# Altium PCB MainBoard_Layout_V2.PcbDoc (part 3 of 3) (continued)
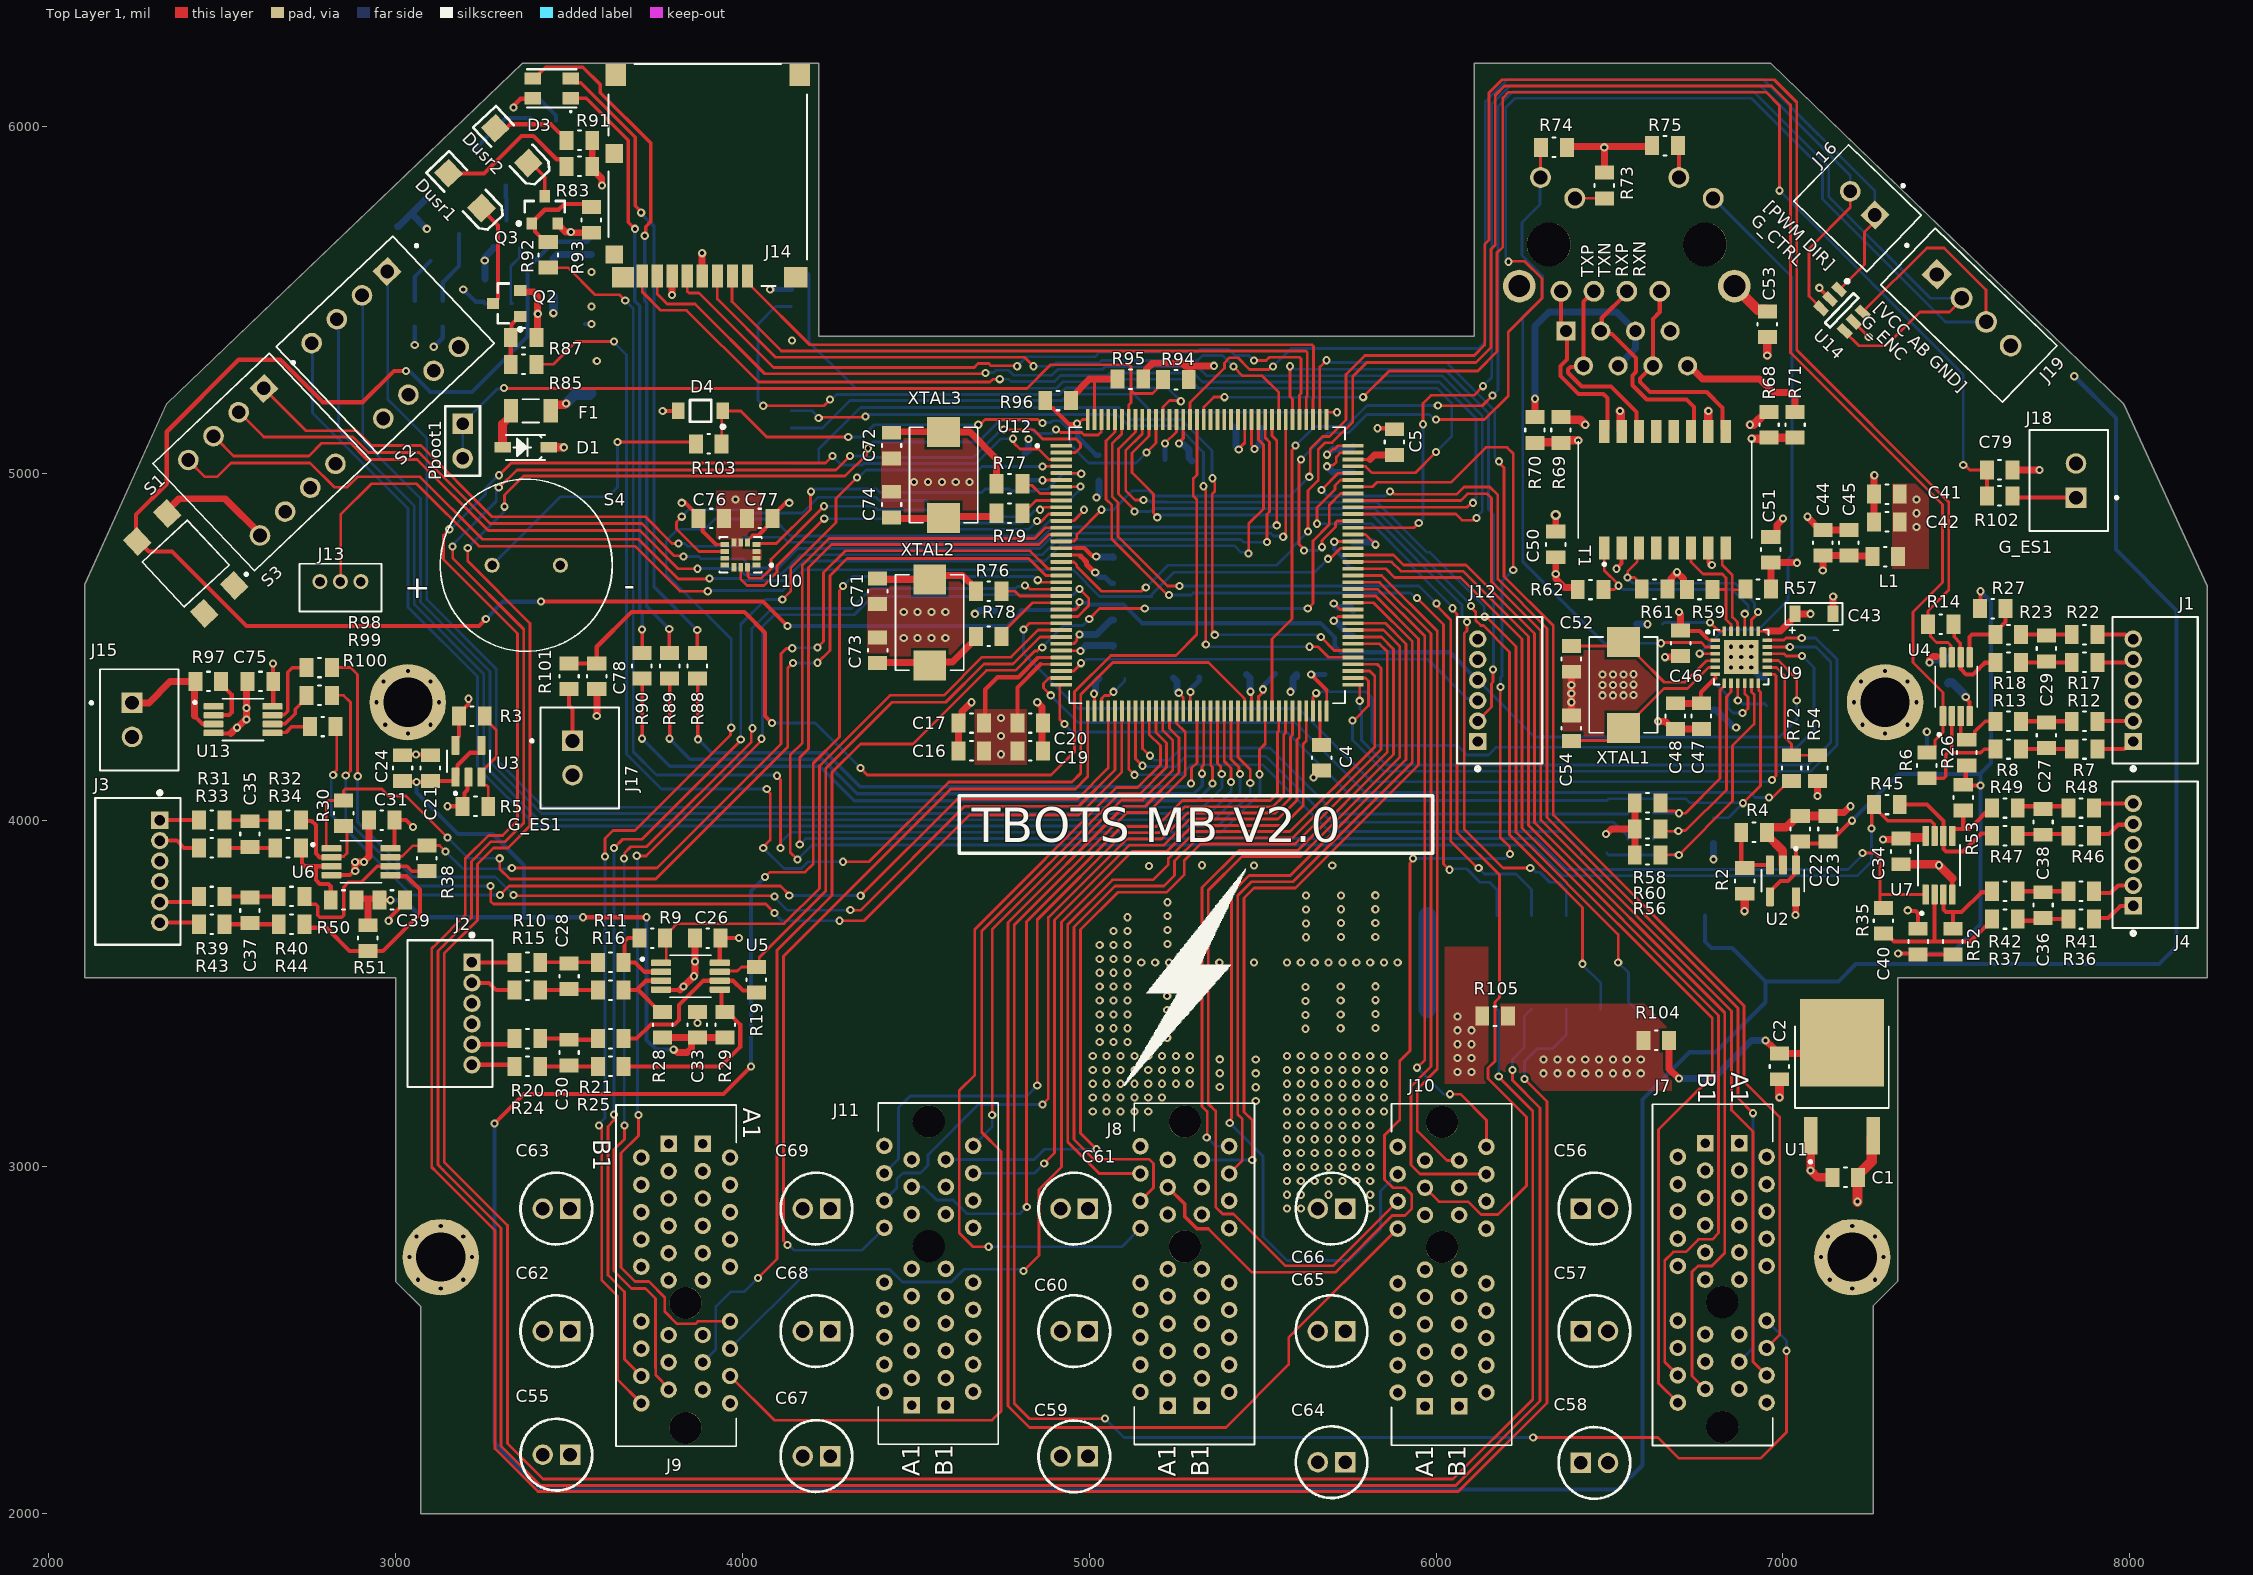
[diagram p0: Top Layer 1 view]
## Nets (pads, with @x,y where several pads share a name; then routed paths per layer and width w, separated by ;. In a path a pad name is that pad's centre, name@x,y a point inside that pad or via, vN(x,y) a via of type N, cw(c..) or ccw(c..) an arc to the next point about the centre after c; other vN are vias at no path point) (continued)
NetR98_2: R98.2 U13.7 | length 211
  Top Layer 1 w10: U13.7@2654.65,4302.8 2655.79,4303.94 2678.41,4303.94 2688.58,4314.11 2688.58,4426.53 2702.05,4440 R98.2@2743,4440
NetR99_1: R99.1 U12.42 | length 3142.8
  Top Layer 1 w8: R99.1@2817,4360 2850,4360 2870,4340 2870,4142.23 v2(2856.12,4128.35) ; v2(3273.96,3810) 3273.96,3766.04 3282,3758 4067.21,3758 v3(4092.81,3732.39) ; v3(4280,3710) 4350,3710 4655,4015 4970.05,4015 5093.94,4138.89 U12.42@5093.94,4314.53
  Bottom Layer 1 w8: v2(2856.12,4128.35) 2856.12,4003.88 3050,3810 v2(3273.96,3810) ; v3(4092.81,3732.39) 4092.81,3730.52 4113.33,3710 v3(4280,3710)
NetR99_2: R99.2 U13.6 | length 144.2
  Top Layer 1 w10: U13.6@2644.65,4277.2 2645.79,4278.35 2681.11,4278.35 2710,4307.24 2710,4319.5 2743,4352.5 R99.2@2743,4360
NetR100_1: R100.1 U12.40 | length 2948.4
  Top Layer 1 w8: v2(2820,4130) 2820,4134.33 2830,4144.33 2830,4277 R100.1@2827,4280 ; v2(3300.62,3784) 3326.62,3810 4110,3810 4135.04,3784.96 v3(4135.04,3782.94) ; v3(4340.94,3782.16) 4618.78,4060 4964.13,4060 5054.57,4150.43 U12.40@5054.57,4314.53
  Bottom Layer 1 w8: v2(2820,4130) 2820,4125.67 2814.29,4119.96 2814.29,4015.71 3046,3784 v2(3300.62,3784) ; v3(4135.04,3782.94) 4312.73,3782.94 4312.94,3782.73 4340.37,3782.73 v3(4340.94,3782.16)
NetR100_2: R100.2 U13.5 | length 116
  Top Layer 1 w10: U13.5@2644.65,4251.61 2645.79,4252.76 2683.8,4252.76 2701.04,4270 R100.2@2753,4270
NetR103_1: R103.1 S4.P | length 820.5
  Top Layer 1 w8: v1(3640,5090) R103.1@3861,5090
  Top Layer 1 w12: R103.1@3861,5080 R103.1@3866,5085 R103.1@3866,5086 ; R103.1@3861,5090 R103.1@3865.5,5085.5
  Bottom Layer 1 w8: S4.P@3278.15,4735 3475.65,4932.5 3612.5,4932.5 3640,4960 v1(3640,5090)
NetS2_1A: S2.1A U12.56 | length 3937.2
  Top Layer 1 w8: U12.56@5369.53,4314.53 5369.7,4314.35 5369.7,4163.93 5379.01,4154.62 5379.01,4136.18 v1(5382,4133.19)
  Bottom Layer 1 w8: S2.1A@2977.4,5582 2977.4,5212.6 3006.28,5183.72 3090,5100 3090,4636.37 3290,4436.37 3290,4174.64 3427.72,4036.92 5326.92,4036.92 5383,4093 5383,4132.19 v1(5382,4133.19)
NetS2_2A: S2.2A U12.57 | length 3965
  Top Layer 1 w8: U12.57@5389.21,4314.53 5389.21,4169.88 5409,4150.09 v1(5409,4110)
  Bottom Layer 1 w8: S2.2A@2904.27,5513.8 2905,5513.07 2905,5095 3072,4928 3072,4628.91 3272,4428.91 3272,4167.18 3420.26,4018.92 5346.46,4018.92 5409.54,4082 5409.54,4109.46 v1(5409,4110)
NetS2_3A: S2.3A U12.58 | length 3987.8
  Top Layer 1 w8: U12.58@5408.9,4314.53 5408.9,4175.65 5432.01,4152.53 5432.01,4136.18 v1(5435,4133.19)
  Bottom Layer 1 w8: S2.3A@2831.13,5445.6 2835,5441.74 2835,5125 3054,4906 3054,4621.46 3254,4421.46 3254,4159.73 3412.81,4000.92 5359.19,4000.92 5435,4076.73 v1(5435,4133.19)
NetS2_4A: S2.4A U12.59 | length 4013.8
  Top Layer 1 w8: U12.59@5428.58,4314.53 5428.58,4181.42 5464.17,4145.83 v1(5464.17,4107.34)
  Bottom Layer 1 w8: S2.4A@2758,5377.4 2760,5375.4 2760,5174.54 3036,4898.54 3036,4614 3236,4414 3236,4152.27 3405.35,3982.92 5371.92,3982.92 5464.17,4075.17 v1(5464.17,4107.34)
NetS3_1A: S3.1A U12.117 | length 3459.5
  Top Layer 1 w8: S3.1A@2618.14,5246.86 2742.06,5122.94 2887.06,5122.94 2930,5080 3073.1,5080 3278.1,4875 3720,4875 3797.31,4797.69 v3(3815.81,4797.69) ; U12.117@5527.01,5155.47 5527.01,5108.45 5540.57,5094.89 5540.57,4852.46 v1(5540.57,4850.19)
  Bottom Layer 1 w8: v3(3815.81,4797.69) 3815.89,4797.61 3833.41,4797.61 3841.01,4790 3980,4790 4006,4816 4116.77,4816 4131.21,4801.57 4850.52,4801.57 4894.45,4845.5 5529.38,4845.5 5534.06,4850.19 v1(5540.57,4850.19)
NetS3_2A: S3.2A U12.115 | length 3589.1
  Top Layer 1 w8: S3.2A@2545,5180 2620.06,5104.94 2877.26,5104.94 2922.2,5060 3067.64,5060 3272.64,4855 3710,4855 3802.67,4762.33 3827.67,4762.33 v3(3830,4760) ; v1(5559.12,4817.22) 5559.12,4821.45 5566.38,4828.7 U12.115@5566.38,5155.47
  Bottom Layer 1 w8: v3(3830,4760) 3874.09,4760 3880.09,4754 3999.82,4754 4027.09,4726.73 4103.5,4726.73 4160.34,4783.57 4857.97,4783.57 4901.9,4827.5 5522.94,4827.5 5531.31,4819.12 5557.22,4819.12 v1(5559.12,4817.22)
NetS3_3A: S3.3A U12.118 | length 3634.5
  Top Layer 1 w8: S3.3A@2479.83,5103.17 2533,5050 2749.98,5050 2786.92,5086.94 2869.8,5086.94 2916.74,5040 3062.18,5040 3267.18,4835 3704.54,4835 3814.54,4725 v3(3870,4725) ; U12.118@5507.32,5155.47 5507.5,5155.3 5507.5,5102.5 5520,5090 5520,4889.54 5512.28,4881.82 v1(5512.28,4801.65)
  Bottom Layer 1 w8: v3(3870,4725) 3871,4726 3989.42,4726 4006.69,4708.73 4111.42,4708.73 4168.25,4765.57 4865.43,4765.57 4909.36,4809.5 5436.65,4809.5 5444.5,4801.65 v1(5512.28,4801.65)
NetS3_4A: S3.4A U12.119 | length 3721.3
  Top Layer 1 w8: S3.4A@2402.21,5037.79 2450,4990 2485,4990 2525,5030 2753.21,5030 2823.21,4960 2860,4960 2890,4990 3070,4990 3250,4810 3700,4810 3815,4695 3903,4695 v3(3905,4697) ; v1(5459.25,4769.25) 5460,4770 5460,4855 5502,4897 5502,5082.54 5487.81,5096.73 5487.81,5155.3 U12.119@5487.64,5155.47
  Bottom Layer 1 w8: v3(3905,4697) 3992.97,4697 3999.24,4690.73 4120.27,4690.73 4176.69,4747.15 4872.47,4747.15 4916.82,4791.5 5418.49,4791.5 5437.75,4772.24 5456.26,4772.24 v1(5459.25,4769.25)
NetU9_13: U9.13 U12.27 | length 2833.1
  Top Layer 1 w8: v1(4810,4550) 4827.68,4567.68 U12.27@4919.53,4567.68 ; U9.13@6954.8,4420.79 6975.31,4420.79 6980,4416.1 6980,4127.98 6968.94,4116.92 v2(6968.94,4115.48)
  Bottom Layer 1 w8: v1(4810,4550) 4810,4480 4967.94,4322.06 5602.87,4322.06 5814.26,4110.67 6956.45,4110.67 6958.26,4112.49 6965.95,4112.49 v2(6968.94,4115.48)
NetU10_4: U10.4 U12.5 | length 1121.3
  Top Layer 1 w8: U10.4@4040.67,4794.53 4045.79,4794.53 4048.68,4797.42 4097.42,4797.42 4196.16,4896.16 4196.16,4945.54 v3(4197.81,4947.19) ; U12.5@4919.53,5000.75 4946.06,5000.75 4946.24,5000.57 4975.17,5000.57 v1(4976.9,4998.85)
  Bottom Layer 1 w8: v3(4197.81,4947.19) 4202.04,4947.19 4209.85,4955 4387,4955 4397,4945 4690,4945 4700,4955 4770,4955 4776,4949 4836.46,4949 4836.56,4948.89 4843.19,4948.89 4848.27,4953.98 4878.98,4953.98 4922.2,4997.2 4975.25,4997.2 v1(4976.9,4998.85)
NetU10_9: U10.9 U12.7 | length 1506.6
  Top Layer 1 w8: v3(3825,4875) 3810,4860 3810,4840 3875.16,4774.84 U10.9@3949.33,4774.84 ; U12.7@4919.53,4961.38 4974.64,4961.38 v1(4974.96,4961.7)
  Bottom Layer 1 w8: v3(3825,4875) 3845,4895 4009.31,4895 4018.31,4886 4173.39,4886 4218.2,4930.81 4385.73,4930.81 4394.54,4922 4529.72,4922 4576.72,4875 4799.5,4875 4834.51,4910.01 4834.57,4910.01 4846.57,4922.01 4942.01,4922.01 4969.5,4949.5 4969.5,4952.01 4974.96,4957.47 v1(4974.96,4961.7)
NetU10_13: U10.13 U12.11 | length 1089.1
  Top Layer 1 w8: U10.13@3995,4729.17 3995,4695.28 3994.92,4695.2 4013.12,4677 4062,4677 4100,4715 4100,4733.5 v3(4235.75,4869.25) ; v1(4849,4862.28) 4851.28,4860 4860,4860 4882.46,4882.46 4919.35,4882.46 U12.11@4919.53,4882.64
  Bottom Layer 1 w8: v3(4235.75,4869.25) 4531.56,4869.25 4561.81,4839 4825.72,4839 v1(4849,4862.28)
NetU10_14: U10.14 U12.10 | length 1066.4
  Top Layer 1 w8: U10.14@4015.89,4722.85 4015.89,4702.48 4020.58,4697.79 4054.93,4697.79 4082,4724.86 4082,4752.04 v3(4235,4905) ; v1(4858.23,4895) 4862.56,4895 4869.88,4902.32 U12.10@4919.53,4902.32
  Bottom Layer 1 w8: v3(4235,4905) 4379.09,4905 4389.09,4895 4531.27,4895 4569.27,4857 4806.96,4857 4841.97,4892.01 4855.24,4892.01 v1(4858.23,4895)
NetU11_4: U11.4 U12.105 | length 2629.7
  Top Layer 1 w8: U12.105@5760.47,5020.43 5760.65,5020.26 5796.17,5020.26 5815.03,5001.41 5939.9,5001.41 v2(6000,5061.5)
  Bottom Layer 1 w8: U11.4@4140.72,5580.72 4142.55,5578.9 4187.44,5578.9 4192.12,5574.22 4192.12,5377.88 4255,5315 4256.88,5315 4326.2,5245.68 4906.31,5245.68 4924.63,5264 5059.46,5264 5066.95,5271.49 5288.51,5271.49 5314.35,5245.65 6002.52,5245.65 6045,5203.18 6045,5106.5 v2(6000,5061.5)
NetU11_6: U11.6 U12.133 | length 1694.9
  Top Layer 1 w8: v1(4060,5195) 4234.76,5195 v4(4252.33,5212.57) ; U12.133@5212.05,5155.47 5212.22,5155.65 5212.22,5191.17 5231.05,5210 5261.95,5210 v1(5263.97,5207.99)
  Bottom Layer 1 w8: v1(4060,5195) 4045,5210 4045,5430 4095.72,5480.72 U11.6@4140.72,5480.72 ; v4(4252.33,5212.57) 4255.79,5212.57 4270.9,5227.68 4913.76,5227.68 4932.09,5246 5225.95,5246 v1(5263.97,5207.99)
NetU11_12: U11.12 U12.77 | length 2244.6
  Top Layer 1 w8: v2(4219.87,5159.32) 4222.57,5162.02 4352.6,5162.02 v2(4354.77,5164.19) ; v1(5329.41,4962.69) 5329.41,4958.46 5335.69,4952.19 5335.69,4507.06 v1(5336,4506.74) ; v1(5635,4500) 5660,4500 5690.57,4469.43 5760.3,4469.43 U12.77@5760.47,4469.25
  Bottom Layer 1 w8: U11.12@4140.72,5180.72 4199.71,5180.72 4219.87,5160.57 v2(4219.87,5159.32) ; v2(4354.77,5164.19) 4355.3,5164.72 4358.99,5164.72 4364.27,5170 5079.89,5170 5112.42,5137.47 5252.53,5137.47 5329.41,5060.59 v1(5329.41,4962.69) ; v1(5336,4506.74) 5340.33,4506.74 5347.08,4500 v1(5635,4500)
NetU11_13: U11.13 U12.109 | length 1684.4
  Top Layer 1 w8: U12.109@5684.49,5155.47 5686,5156.98 5686,5176.28 v1(5714,5176.28)
  Bottom Layer 1 w8: U11.13@4140.72,5130.72 4230.68,5130.72 4309.63,5209.68 4921.22,5209.68 4939.54,5228 5129.4,5228 5181.12,5176.28 v1(5714,5176.28)
NetU11_15: U11.15 U12.78 | length 2312.3
  Top Layer 1 w8: v1(5355.22,4985.75) 5355.22,4980.47 5362.12,4973.58 5362.12,4948.3 5354.33,4940.51 5354.33,4546.05 5361.69,4538.69 v1(5361.69,4534.36) ; v1(5667.7,4527.7) 5706.29,4489.11 5760.3,4489.11 U12.78@5760.47,4488.94
  Bottom Layer 1 w8: U11.15@4140.72,5030.72 4142.54,5028.91 4215.31,5028.91 4220,5033.59 4220,5070 4340,5190 5085.35,5190 5119.88,5155.47 5264.53,5155.47 5354.17,5065.83 5354.17,4986.8 v1(5355.22,4985.75) ; v1(5361.69,4534.36) 5656.71,4534.36 5663.37,4527.7 v1(5667.7,4527.7)
OSC32_IN: C72.1 R77.1 XTAL3.2 | length 401.1
  Top Layer 1 w20: C72.1@4440,5117 4443,5120 XTAL3.2@4582.95,5120 ; XTAL3.2@4580,5119.02 4655.98,5119.02 4733,5042 R77.1@4733,4970
OSC32_OUT: C74.1 R79.1 XTAL3.1 | length 305.1
  Top Layer 1 w20: C74.1@4430,4870 4579.02,4870 XTAL3.1@4580,4870.98 4584.02,4875 R79.1@4733,4875
OSC_IN: C71.1 R76.1 XTAL2.2 | length 310.7
  Top Layer 1 w20: C71.1@4392,4700 C71.1@4397.5,4694.5 ; C71.1@4402.5,4694.5 4539.52,4694.5 XTAL2.2@4540,4694.02 ; XTAL2.2@4536.99,4720 4551.2,4705.78 4634.72,4705.78 4673,4667.5 R76.1@4673,4660
OSC_OUT: C73.1 R78.1 XTAL2.1 | length 326.8
  Top Layer 1 w20: C73.1@4390,4453 4392,4455 4530.98,4455 XTAL2.1@4540,4445.98 4549.54,4455.53 4605.53,4455.53 4662.5,4512.5 4663,4512.5 4673,4522.5 R78.1@4673,4530
PC14-OSC32_IN: R77.2 U12.8 | length 124.3
  Top Layer 1 w8: R77.2@4807,4970 4811.31,4965.69 4834.31,4965.69 4858.13,4941.87 4919.35,4941.87 U12.8@4919.53,4941.69
PC15-OSC32_OUT: R79.2 U12.9 | length 136.4
  Top Layer 1 w8: R79.2@4807,4875 4807,4882.5 4846.51,4922.01 U12.9@4919.53,4922.01
PH0-OSC_IN: R76.2 U12.23 | length 178.2
  Top Layer 1 w8: R76.2@4747,4660 4786.12,4660 4799.53,4646.59 4919.35,4646.59 U12.23@4919.53,4646.42
PH1-OSC_OUT: R78.2 U12.24 | length 217
  Top Layer 1 w8: R78.2@4747,4530 4747,4537.5 4836.23,4626.73 U12.24@4919.53,4626.73
RA: J5.12 U9.3 | length 1621.1
  Top Layer 1 w8: v2(6760,4480) 6760.08,4479.92 6805.12,4479.92 U9.3@6805.2,4479.84
  Bottom Layer 1 w8: v2(6760,4480) 6794.03,4514.03 6830,4550 6930,4550 7014.53,4634.53 7014.53,4752.78 7026,4764.25 7026,5566.09 J5.12@6799.02,5793.07
RC: J5.11 R75.1 | length 87.8
  Top Layer 1 w12: R75.1@6698.16,5940 6700,5938.16 J5.11@6700,5852.91
RD_N: R57.2 T1.8 U9.22 | length 308.2
  Top Layer 1 w8: T1.8@6835,4785 6825,4775 6825,4735.46 6854.21,4706.24 6854.21,4664.67 ; U9.22@6869.79,4537.62 6869.79,4564.58 6868.84,4565.52 6868.84,4571.29 6854.21,4585.92 6854.21,4664.67 ; R57.2@6891.69,4666.18 6890.18,4664.67 6854.21,4664.67
RD_P: R59.2 T1.6 U9.23 | length 383
  Top Layer 1 w8: T1.6@6735.19,4801.9 6735.19,4744.81 6770,4710 6825,4710 6836.21,4698.79 6836.21,4665.21 ; R59.2@6797,4665 6797.21,4665.21 6836.21,4665.21 ; U9.23@6850.84,4538.36 6850.84,4563.84 6836.21,4578.47 6836.21,4665.21
RMII_MDIO: R55.1 U9.12 U12.36 | length 2649.5
  Top Layer 1 w8: U12.36@4919.53,4390.51 4918.02,4389 4915,4389 4915,4290.58 v1(4928.32,4277.26) ; v2(6885,4049) 6935.12,4099.12 6935.12,4369.58 6930.53,4374.17 6930.53,4393.88 U9.12@6929.21,4395.2
  Bottom Layer 1 w8: v1(4928.32,4277.26) 4928.32,4276.68 4950.78,4254.22 5570.33,4254.22 5767.54,4057 6492.46,4057 6496.96,4061.5 6720.91,4061.5 6732.41,4050 6884,4050 v2(6885,4049) 6843,4007 R55.1@6800,4007
RMII_REF_CLK: R72.2 U12.35 | length 2379.1
  Top Layer 1 w8: v1(4889,4360) 4868.06,4380.94 4868.06,4394.26 4883.83,4410.02 4919.35,4410.02 U12.35@4919.53,4410.2 ; v2(6960,4065) 6969.5,4065 7017.5,4113 R72.2@7025,4113
  Bottom Layer 1 w8: v1(4889,4360) 4967.47,4281.53 5593.52,4281.53 5795.05,4080 6905,4080 6920,4065 v2(6960,4065)
RMII_TX_EN: U9.16 U12.70 | length 2004.3
  Top Layer 1 w8: U12.70@5645.12,4314.53 5645.12,4354.59 5654.32,4363.8 v1(5654.32,4366.16) ; U9.16@6954.8,4479.84 7002.92,4479.84 7009.23,4473.53 v2(7055,4473.53)
  Bottom Layer 1 w8: v1(5654.32,4366.16) 5657.31,4369.15 5666,4369.15 5666.85,4370 5798.28,4370 5815,4353.28 5815,4225.91 5825.91,4215 6062.09,4215 6089.2,4187.89 6150.8,4187.89 6172.91,4210 7040,4210 7090,4260 7090,4440 7056.47,4473.53 v2(7055,4473.53)
RMII_TXD0: U9.17 U12.73 | length 2023.7
  Top Layer 1 w8: U12.73@5760.47,4390.51 5778.15,4390.51 5779.66,4389 v1(5779.66,4344.15) ; U9.17@6954.8,4499.53 v2(7020,4499.53)
  Bottom Layer 1 w8: v1(5779.66,4344.15) 5781,4342.81 5781,4320.34 5785,4316.34 5785,4230.46 5856.17,4159.29 7073.83,4159.29 7138,4223.46 7138,4456.54 7095.02,4499.53 v2(7020,4499.53)
RMII_TXD1: U9.18 U12.74 | length 2182.7
  Top Layer 1 w8: v1(5759,4287.77) 5763.08,4287.77 5805.47,4330.16 5805.47,4400.72 5796.17,4410.02 5760.65,4410.02 U12.74@5760.47,4410.2 ; U9.18@6954.8,4519.21 7002.92,4519.21 7009.23,4525.53 v2(7054.47,4525.53)
  Bottom Layer 1 w8: v1(5759,4287.77) 5759,4231 5848.71,4141.29 7081.29,4141.29 7156,4216 7156,4464 7094.47,4525.53 v2(7054.47,4525.53)
RX_N: J5.6 pad.2@6645,5525 T1.9 | length 626
  Top Layer 1 w12: pad.2@6645,5525 6645,5465 6625,5445 J5.6@6625,5310 6588.08,5273.08 6588.08,5263.14 6616.64,5234.57 6780.43,5234.57 6826.04,5188.96 6826.04,5129.79 T1.9@6835,5120.83
RX_P: J5.3 pad.2@6550,5525 T1.11 | length 640.6
  Top Layer 1 w12: pad.2@6550,5525 6550,5520 6477.69,5447.69 6477.69,5412.69 J5.3@6475,5410 6483.2,5401.8 6507.18,5401.8 6576.76,5332.23 6576.76,5292.87 6566.08,5282.19 6566.08,5254.02 6607.53,5212.57 6722.43,5212.57 6743.96,5191.04 6743.96,5129.79 T1.11@6735,5120.83
SHGND: C53.1 J5.S1 J5.S2 | length 125.2
  Top Layer 1 w30: J5.S1@6860.04,5539.92 6927.96,5472 6950,5472 C53.1@6955,5467
SIN_A: R19.1 U5.7 U12.29 | length 1607.2
  Top Layer 1 w8: U5.7@3934.65,3562.8 3936.79,3564.94 3984.94,3564.94 3997,3577 4047.5,3577 4048.49,3577.99 4048.49,3604.31 4240.06,3795.89 4240.06,4149.15 4430.91,4340 4586.34,4340 4696.34,4450 4780,4450 4858.13,4528.13 4919.35,4528.13 U12.29@4919.53,4528.31
SIN_B: R45.1 U7.7 U12.13 | length 5234.4
  Top Layer 1 w8: v3(4158.84,3886.3) 4137.62,3907.52 4137.62,4187.62 4172.67,4222.67 4172.67,4735.65 4249.55,4812.53 4842.83,4812.53 4873.39,4843.09 4919.35,4843.09 U12.13@4919.53,4843.27
  Top Layer 1 w10: v2(7255.75,3975.75) 7255.75,4037.75 R45.1@7263,4045 7263,4037.5 7301.92,3998.58 7425.89,3998.58 7436.06,3988.41 7436.06,3955.79 U7.7@7437.2,3954.65
  Bottom Layer 1 w8: v3(4158.84,3886.3) 4201.01,3928.47 6276.53,3928.47 6365,3840 7215,3840 7255.75,3880.75 v2(7255.75,3975.75)
SIN_C: R14.1 U4.7 U12.15 | length 5117.9
  Top Layer 1 w8: U12.15@4919.53,4803.9 4919.7,4804.07 4955.23,4804.07 4964.24,4813.08 4964.24,4824.24 v1(5035,4895) ; v1(5634.19,4990) 5636.93,4992.75 5636.93,5070.45 5672.91,5106.43 5692.96,5106.43 5740,5153.47 5740,5285.46 5794.54,5340 6110,5340 6140,5370 6140,5660 6152.5,5672.5 6152.5,6097.5 6190,6135 6975,6135 7040,6070 7040,5355.46 7478,4917.46 7478,4663 7418,4603 R14.1@7418,4565 ; R14.1@7408,4565.04 7425.31,4547.73 7425.31,4530.19 7442.92,4512.58 7475.48,4512.58 7485.06,4503 7485.06,4471.79 U4.7@7487.2,4469.65
  Bottom Layer 1 w8: v1(5035,4895) 5070,4895 5125,4950 5170,4950 5185,4935 5579,4935 5634,4990 v1(5634.19,4990)
SIN_D: R38.1 U6.7 U12.19 | length 2646.5
  Top Layer 1 w8: U6.7@2984.65,3892.8 2986.79,3894.94 3018,3894.94 3049.58,3926.52 3089.52,3926.52 R38.1@3090,3927 3127,3927 v2(3144,3910) ; v2(3335.01,3861.76) 3753.53,3861.76 4111.03,4219.26 4111.03,4479.77 4126.37,4495.11 4143.15,4495.11 v3(4143.6,4495.56) ; v3(4216.48,4498.09) 4233.74,4515.34 4233.74,4713.73 4296.54,4776.53 4828.93,4776.53 4880.3,4725.16 U12.19@4919.53,4725.16
  Bottom Layer 1 w8: v2(3144,3910) 3194,3860 3333.24,3860 v2(3335.01,3861.76) ; v3(4143.6,4495.56) 4144.86,4496.82 4215.22,4496.82 v3(4216.48,4498.09)
TD_N: R61.2 T1.3 U9.20 | length 653.8
  Top Layer 1 w8: T1.3@6585,4785 6579.81,4779.81 6579.81,4744.81 6552.47,4717.47 6552.47,4700.47 v1(6552,4700) 6572.31,4700 6577,4695.31 6577,4681 R61.2@6593,4665 ; U9.20@6909.53,4544.8 6909.53,4577.76 6928.26,4596.49 v1(6928.26,4599.93)
  Bottom Layer 1 w8: v1(6552,4700) 6552,4698 6567,4683 6861.4,4683 6918.13,4626.27 6918.13,4612.62 6928.26,4602.49 v1(6928.26,4599.93)
TD_P: R62.2 T1.1 U9.21 | length 650.6
  Top Layer 1 w8: R62.2@6482.41,4665 6514.29,4665 6525.24,4675.96 v1(6526.36,4675.96) ; T1.1@6485,4785 6485,4720 6525.96,4679.04 v1@6525.96,4675.96 ; U9.21@6889.84,4544.8 6889.84,4554.78 6889.84,4594.84 v1(6890,4595)
  Bottom Layer 1 w8: v1@6525.96,4675.96 6527.69,4675.96 6538.64,4665 6853.94,4665 6900.13,4618.81 6900.13,4607.69 6890,4597.56 v1(6890,4595)
TX_N: J5.2 pad.2@6455,5525 T1.14 | length 589.4
  Top Layer 1 w12: pad.2@6455,5525 6425,5495 J5.2@6425,5310 6422.1,5307.1 6387.53,5307.1 6380.5,5300.07 6380.5,5290.13 6419.89,5250.73 6504.27,5250.73 6578.33,5176.67 6578.33,5127.49 T1.14@6585,5120.83
TX_P: J5.1 pad.2@6360,5525 T1.16 | length 521
  Top Layer 1 w12: pad.2@6360,5525 6360,5425 6377.75,5407.25 6377.75,5328.43 6358.5,5309.18 6358.5,5281.01 6410.78,5228.73 6481.94,5228.73 6493.96,5216.71 6493.96,5129.79 T1.16@6485,5120.83
VCAP0: C4.1 U12.71 | length 112.6
  Top Layer 1 w8: U12.71@5664.8,4314.53 5664.98,4314.35 5664.98,4252.92 C4.1@5665,4202
VCAP1: C5.1 U12.106 | length 125
  Top Layer 1 w8: U12.106@5760.47,5040.12 5809.88,5040.12 ; C5.1@5872.88,5040.12 C5.1@5873,5040
  Top Layer 1 w20: 5809.88,5040.12 5822.5,5052.74 5879.74,5052.74 C5.1@5880,5053
VCC: C55.1 C56.1 C57.1 C58.1 C59.1 C60.1 C61.1 C62.1 C63.1 C64.1 C65.1 C66.1 C67.1 C68.1 C69.1 J6.1 J6.2 J6.3 J6.4 J6.5 J6.6 J6.7 J6.8 J7.A1 J7.A2 J7.A3 J7.A4 J7.A5 J7.A6 J7.A7 J7.A8 J7.A9 J7.A10 J7.A11 J8.A1 J8.A2 J8.A3 J8.A4 J8.A5 J8.A6 J8.A7 J8.A8 J8.A9 J8.A10 J8.A11 J9.A1 J9.A2 J9.A3 J9.A4 J9.A5 J9.A6 J9.A7 J9.A8 J9.A9 J9.A10 J9.A11 J10.A1 J10.A2 J10.A3 J10.A4 J10.A5 J10.A6 J10.A7 J10.A8 J10.A9 J10.A10 J10.A11 J11.A1 J11.A2 J11.A3 J11.A4 J11.A5 J11.A6 J11.A7 J11.A8 J11.A9 J11.A10 J11.A11 R82.2 | length 3950
  Top Layer 1 w12: J9.A1@3885.47,3066.69 3885.47,3070.47 J9.A1@3895,3080
  Bottom Layer w12: v1(3055,5370) 2935,5370 2865,5300 2700,5300 2650,5350 2575.23,5350 2442.76,5222.75 2442.47,5222.46 ; 3265,3165 3265,3185 3255,3195 3100.53,3195 3063.5,3232.03 3063.5,3563.37 3021.87,3605 2185.53,3605 2166.65,3623.88 2166.65,4669.9 cw(c2178.65,4669.9) 2167.73,4674.88 2239.34,4831.97 2395.4,5174.34 ; 2395.4,5174.34 cw(c2406.31,5169.34) 2397.8,5177.8 ; 2395.4,5174.34 cw(c2406.31,5169.34) 2397.8,5177.8 ; 2397.8,5177.8 2442.32,5222.32 ; 2442.32,5222.32 cw(c2450.78,5213.81) 2442.47,5222.46 ; 2442.32,5222.32 cw(c2450.78,5213.81) 2442.47,5222.46
  Bottom Layer 1 w12: v1(3055,5370) R82.2@3055,5423
  other v1: 5010,3160 5050,3160 5090,3160 5130,3160 5170,3160 5480,3190 5010,3200 5050,3200 5090,3200 5130,3200 5170,3200 5210,3200 5376.27,3230.39 5480,3230 5010,3240 5050,3240 5090,3240 5130,3240 5170,3240 5210,3240 5250,3240 5290,3240 5376.27,3270.39 5480,3270 5010,3280 5050,3280 5090,3280 5130,3280 5170,3280 5210,3280 5250,3280 5290,3280 5376.27,3310.39 5480,3310 5010,3320 5050,3320 5090,3320 5130,3320 5170,3320 5210,3320 5250,3320 5290,3320 5030,3360 5070,3360 5110,3360 5224.63,3372.74 5030,3400 5070,3400 5110,3400 5224.63,3412.74 5030,3440 5070,3440 5110,3440 5224.63,3452.74 5030,3480 5070,3480 5110,3480 5224.63,3492.74 5030,3520 5070,3520 5110,3520 5224.63,3532.74 5030,3560 5070,3560 5110,3560 5150,3590 5190,3590 5230,3590 5270,3590 5375,3590 5475,3590 5030,3600 5070,3600 5110,3600 5030,3640 5070,3640 5110,3640 5225.7,3643.25 5070,3680 5110,3680 5225.7,3683.25 5110,3720 5225.7,3723.25 5225.7,3763.25 5171.99,3868 5475,3869.19 5325,3870
pads on no net: J5.7 J5.None J6.28 J6.30 J6.31 J6.32 J6.33 J7. J7.A13 J7.A17 J7.A18 J7.B12 J7.B13 J7.B14 J7.B15 J8. J8.A13 J8.A17 J8.A18 J8.B12 J8.B13 J8.B14 J8.B15 J9. J9.A13 J9.A17 J9.A18 J9.B12 J9.B13 J9.B14 J9.B15 J10. J10.A13 J10.A17 J10.A18 J10.B12 J10.B13 J10.B14 J10.B15 J11. J11.A13 J11.A17 J11.A18 J11.B12 J11.B13 J11.B14 J11.B15 J12.6 J14.9 J14.10 J14.11 J14.12 J14.13 J14.14 S1.1 S1.3 T1.4 T1.5 T1.12 T1.13 U10.1 U10.10 U10.11 U10.12 U11.1 U11.2 U11.3 U11.7 U11.9 U11.10 U11.11 U11.14 U11.16 U11.17 U11.18 U11.19 U11.20 U11.21 U11.23 U11.25 U11.28 U11.32 U12.1 U12.122 U12.123 U12.124 U12.125 U12.126 U12.132 U12.141 U13.1
copper on no net:
  other v2: 3130,2650 7200,2650 3065,2675 3195,2675 7135,2675 7265,2675 3040,2740 3220,2740 7110,2740 7290,2740 3060,2800 3195,2800 7130,2800 7265,2800 3130,2830 7200,2830 3035.18,4250 7294.82,4250 2970.18,4275 3100.18,4275 7229.82,4275 7359.82,4275 2945.18,4340 3125.18,4340 7204.82,4340 7384.82,4340 2965.18,4400 3100.18,4400 7224.82,4400 7359.82,4400 3035.18,4430 7294.82,4430

## Polygon pours and split planes (outlines as drawn)
3V3 on Top Layer 1 "NONET_L01_P-001" (solid, pour order 50): 6185,3470 6600,3470 6680,3390 6680,3220 6185,3220
3V3_PWR_BRD on Top Layer 1 "3V3_PWR_BRD_L01_P042" (solid, pour order 42): 6025,3635 6150,3635 6150,3240 6025,3240
GND on Top Layer 1 "NONET_L01_P-001" (solid, pour order 59): 4680,5140 4680,4855 4400,4855 4400,5140
GND on Top Layer 1 "NONET_L01_P-001" (solid, pour order 58): 4640,4715 4640,4430 4360,4430 4360,4715
GND on Top Layer 1 "NONET_L01_P-001" (solid, pour order 56): 3925,4950 4040,4950 4055,4935 4055,4745 3965,4745 3925,4785
GND on Top Layer 1 "NONET_L01_P-001" (solid, pour order 55): 6365,4490 6565,4490 6640,4415 6640,4335 6530,4225 6365,4225
3V3 on Top Layer 1 "NONET_L01_P-001" (solid, pour order 57): 7315,4970 7390,4970 7420,4940 7420,4725 7315,4725
3V3 on Top Layer 1 "NONET_L01_P-001" (solid, pour order 52): 4670,4320 4820,4320 4820,4160 4670,4160
3V3 on Bottom Layer "3V3_L03_P035" (solid, pour order 54): 7330.71,3545 8223.47,3545 8223.47,4674.73 7982.72,5200 6964.44,6182.8 6110.24,6182.8 6110.24,5395.4 4220.47,5395.4 4220.47,6182.8 3366.27,6182.8 2339.37,5200 2103.7,4679.49 2103.7,3545 3000,3545 3000,3213.72 7330.71,3213.72
VCC on Bottom Layer "VCC_MOTORDRIVER" (solid, pour order 33): 3243.82,3207.79 4850,3207.79 4850,3825 4922.58,3897.58 5525,3897.58 5525,3207.79 7073.82,3207.79 7073.82,2017.79 3243.82,2017.79
LAN_VDD1A on Bottom Layer "LAN_VDD1A" (solid, pour order 53): 6300,4805 7230,4805 7230,4610 7150,4530 6450,4530 6300,4680
GND on Bottom Layer 1 "GND_L04_P049" (solid, pour order 49): 5525,3905 5525,2845 5925,2845 5925,3905
VCC on Bottom Layer 1 "VCC_L04_P041" (solid, pour order 41): 4970,3905 5525,3905 5525,3140 4970,3140
3V3_PWR_BRD on Bottom Layer 1 "3V3_PWR_BRD_L04_P044" (solid, pour order 44): 6025,3830 6130,3830 6130,3240 6025,3240
GND on Top Layer "GND_L02_P001" (solid, pour order 1): 2103.7,3545 3000,3545 3000,2670 3072.5,2597.5 3072.5,2000 7260,2000 7260,2599.29 7330.71,2670 7330.71,3545 8223.47,3545 8223.47,4674.73 7982.72,5200 6964.44,6182.8 6110.24,6182.8 6110.24,5395.4 4220.47,5395.4 4220.47,6182.8 3366.27,6182.8 2339.37,5200 2103.7,4679.49

## Other copper
Top Layer 1:
  pour cut-out: 6400,4745 6920,4745 6920,5225 6875,5225 6875,5470 6875,5578.62 6220,5580.22 6220,5470 6220,5225 6400,5225
Top Layer:
  pour cut-out: 6400,4745 6920,4745 6920,5225 6875,5225 6875,5470 6875,5578.62 6220,5580.22 6220,5470 6220,5225 6400,5225
Bottom Layer:
  pour cut-out: 6400,4745 6920,4745 6920,5225 6875,5225 6875,5470 6875,5578.62 6220,5580.22 6220,5470 6220,5225 6400,5225
Bottom Layer 1:
  pour cut-out: 6400,4745 6920,4745 6920,5225 6875,5225 6875,5470 6875,5578.62 6220,5580.22 6220,5470 6220,5225 6400,5225

## Silkscreen, mask and mechanical layers (free items; w line width, h text height)
Top Overlay:
  drawing of 5 lines, arcs and shapes, not listed
  text "[PWM DIR] / G_CTRL" at 6905,5725 h36 r316
  text "TXP" at 6454,5566 h36 r90
  text "TXN" at 6504,5566 h36 r90
  text "RXP" at 6554,5566 h36 r90
  text "RXN" at 6604,5566 h36 r90
  text "[VCC AB GND] / G_ENC" at 7221.14,5433.75 h36 r316
  text "G_ES1" at 7623.06,4770 h36
  text "G_ES1" at 3323.06,3970 h36
  text "TBOTS MB V2.0" at 4661,3936 h100
Bottom Overlay:
  lines w10: 3580,4270 4815,4280 ; 3580,3375 4815,3375 4815,4545 3580,4545 3580,3375
  text "UBC Thunderbots / Mainboard V2.0" at 4788.32,4257.06 h60
  text "Liam Bontkes / Taylor Fraser / Matthew Tong / Dominic Klukas / Francesca Crema / Dannon Sturn" at 4785,3735 h48
Mechanical 1:
  lines w10: 2103.7,3545 3000,3545 3000,3213.72 3000,2670 3075,2595 3075,2000 7260,2000 7260,2600 7330.71,2670.71 7330.71,3545 8223.47,3545 8223.47,4674.73 7982.72,5200 6964.44,6182.8 6110.24,6182.8 6110.24,5395.4 4220.47,5395.4 4220.47,6182.8 3366.27,6182.8 2339.37,5200 2103.7,4679.49 2103.7,3545

## Dimensions
3130,2740 to 6825,2610 on Mechanical 16
3130,2740 to 6017.17,2768.88 on Mechanical 16
3130,2740 to 5275.56,2770.51 on Mechanical 16
3130,2740 to 4537.12,2771.37 on Mechanical 16
3130,2740 to 3836.26,2608.03 on Mechanical 16

## Text inside footprints (layer, text, board x,y; h text height)
J5: Bottom Overlay "+" at 6815.72,5820.53 h73.82; Bottom Overlay "-" at 6705.38,5880.72 h73.82; Bottom Overlay "-" at 6409.5,5815.48 h73.82; Bottom Overlay "+" at 6319.1,5880.64 h73.82; Mechanical 4 "12" at 6855.23,5715.21 h73.82; Mechanical 4 "11" at 6720.37,5770.42 h73.82; Mechanical 4 "10" at 6439.61,5705.35 h73.82; Mechanical 4 "9" at 6304.53,5770.39 h73.82; Mechanical 4 "FRONT" at 6612.68,5913.39 h73.82; Mechanical 4 "RIGHT" at 6838.46,6038.95 h73.82; Mechanical 4 "LEFT" at 6349.12,6039.36 h73.82; Mechanical 4 "2" at 6399.48,5324.02 h73.82; Mechanical 4 "4" at 6499.88,5324.4 h73.82; Mechanical 4 "6" at 6600.29,5323.28 h73.82; Mechanical 4 "8" at 6700.66,5323.72 h73.82; Mechanical 4 "7" at 6650.34,5424.39 h73.82; Mechanical 4 "5" at 6550,5423.97 h73.82; Mechanical 4 "3" at 6449.72,5424.53 h73.82; Mechanical 4 "1" at 6349.03,5424.07 h73.82; Mechanical 4 "12" at 6855.23,5715.21 h73.82; Mechanical 4 "11" at 6720.37,5770.42 h73.82; Mechanical 4 "10" at 6439.61,5705.35 h73.82; Mechanical 4 "9" at 6304.53,5770.39 h73.82; Mechanical 4 "FRONT" at 6612.68,5913.39 h73.82; Mechanical 4 "RIGHT" at 6838.46,6038.95 h73.82; Mechanical 4 "LEFT" at 6349.12,6039.36 h73.82; Mechanical 4 "2" at 6399.48,5324.02 h73.82; Mechanical 4 "4" at 6499.88,5324.4 h73.82; Mechanical 4 "6" at 6600.29,5323.28 h73.82; Mechanical 4 "8" at 6700.66,5323.72 h73.82; Mechanical 4 "7" at 6650.34,5424.39 h73.82; Mechanical 4 "5" at 6550,5423.97 h73.82; Mechanical 4 "3" at 6449.72,5424.53 h73.82; Mechanical 4 "1" at 6349.03,5424.07 h73.82
J6: Mechanical 13 "2.540" at 5071.5,3810 h10 r180; Mechanical 13 "5.080" at 4854.02,3595 h10 r180; Mechanical 13 "43.180" at 5943.5,3872.52 h10 r180; Mechanical 13 "40.640" at 5943.5,3850 h10 r180
J7: Top Overlay "B1" at 6756.1,3273.39 h50 r270; Top Overlay "A1" at 6850.59,3273.39 h50 r270; Mechanical 13 "B1" at 6756.1,3273.39 h50 r270; Mechanical 13 "A1" at 6850.59,3273.39 h50 r270
J8: Top Overlay "A1" at 5249.96,2107.12 h50 r90; Top Overlay "B1" at 5344.45,2107.12 h50 r90; Mechanical 13 "A1" at 5249.96,2107.12 h50 r90; Mechanical 13 "B1" at 5344.45,2107.12 h50 r90
J9: Top Overlay "A1" at 4001.85,3171.41 h50 r270; Top Overlay "B1" at 3570,3080 h50 r270; Mechanical 13 "A1" at 4000,3170 h50 r270; Mechanical 13 "B1" at 3570,3080 h50 r270
J10: Top Overlay "B1" at 6086.06,2105.5 h50 r90; Top Overlay "A1" at 5991.58,2105.5 h50 r90; Mechanical 13 "B1" at 6086.06,2105.5 h50 r90; Mechanical 13 "A1" at 5991.58,2105.5 h50 r90
J11: Top Overlay "A1" at 4511.53,2107.98 h50 r90; Top Overlay "B1" at 4606.01,2107.98 h50 r90; Mechanical 13 "A1" at 4511.53,2107.98 h50 r90; Mechanical 13 "B1" at 4606.01,2107.98 h50 r90
J14: Mechanical 13 "*" at 4064,5435 h50
S4: Top Overlay "+" at 3100.98,4695.63 h66 r180; Top Overlay "-" at 3691.54,4695.63 h66 r180; Mechanical 13 "+" at 3100.98,4695.63 h66 r180; Mechanical 13 "-" at 3691.54,4695.63 h66 r180
U11: Bottom Overlay "17" at 3509.34,4965.72 h36; Bottom Overlay "32" at 3514.34,5710.72 h36; Bottom Overlay "MB1467" at 3952.53,5914.72 h36; Bottom Overlay "16" at 4249.34,4965.72 h36; Bottom Overlay "1" at 4214.34,5715.72 h36